# Altium PCB Digital_Optical.PcbDoc (part 2 of 3) (continued)
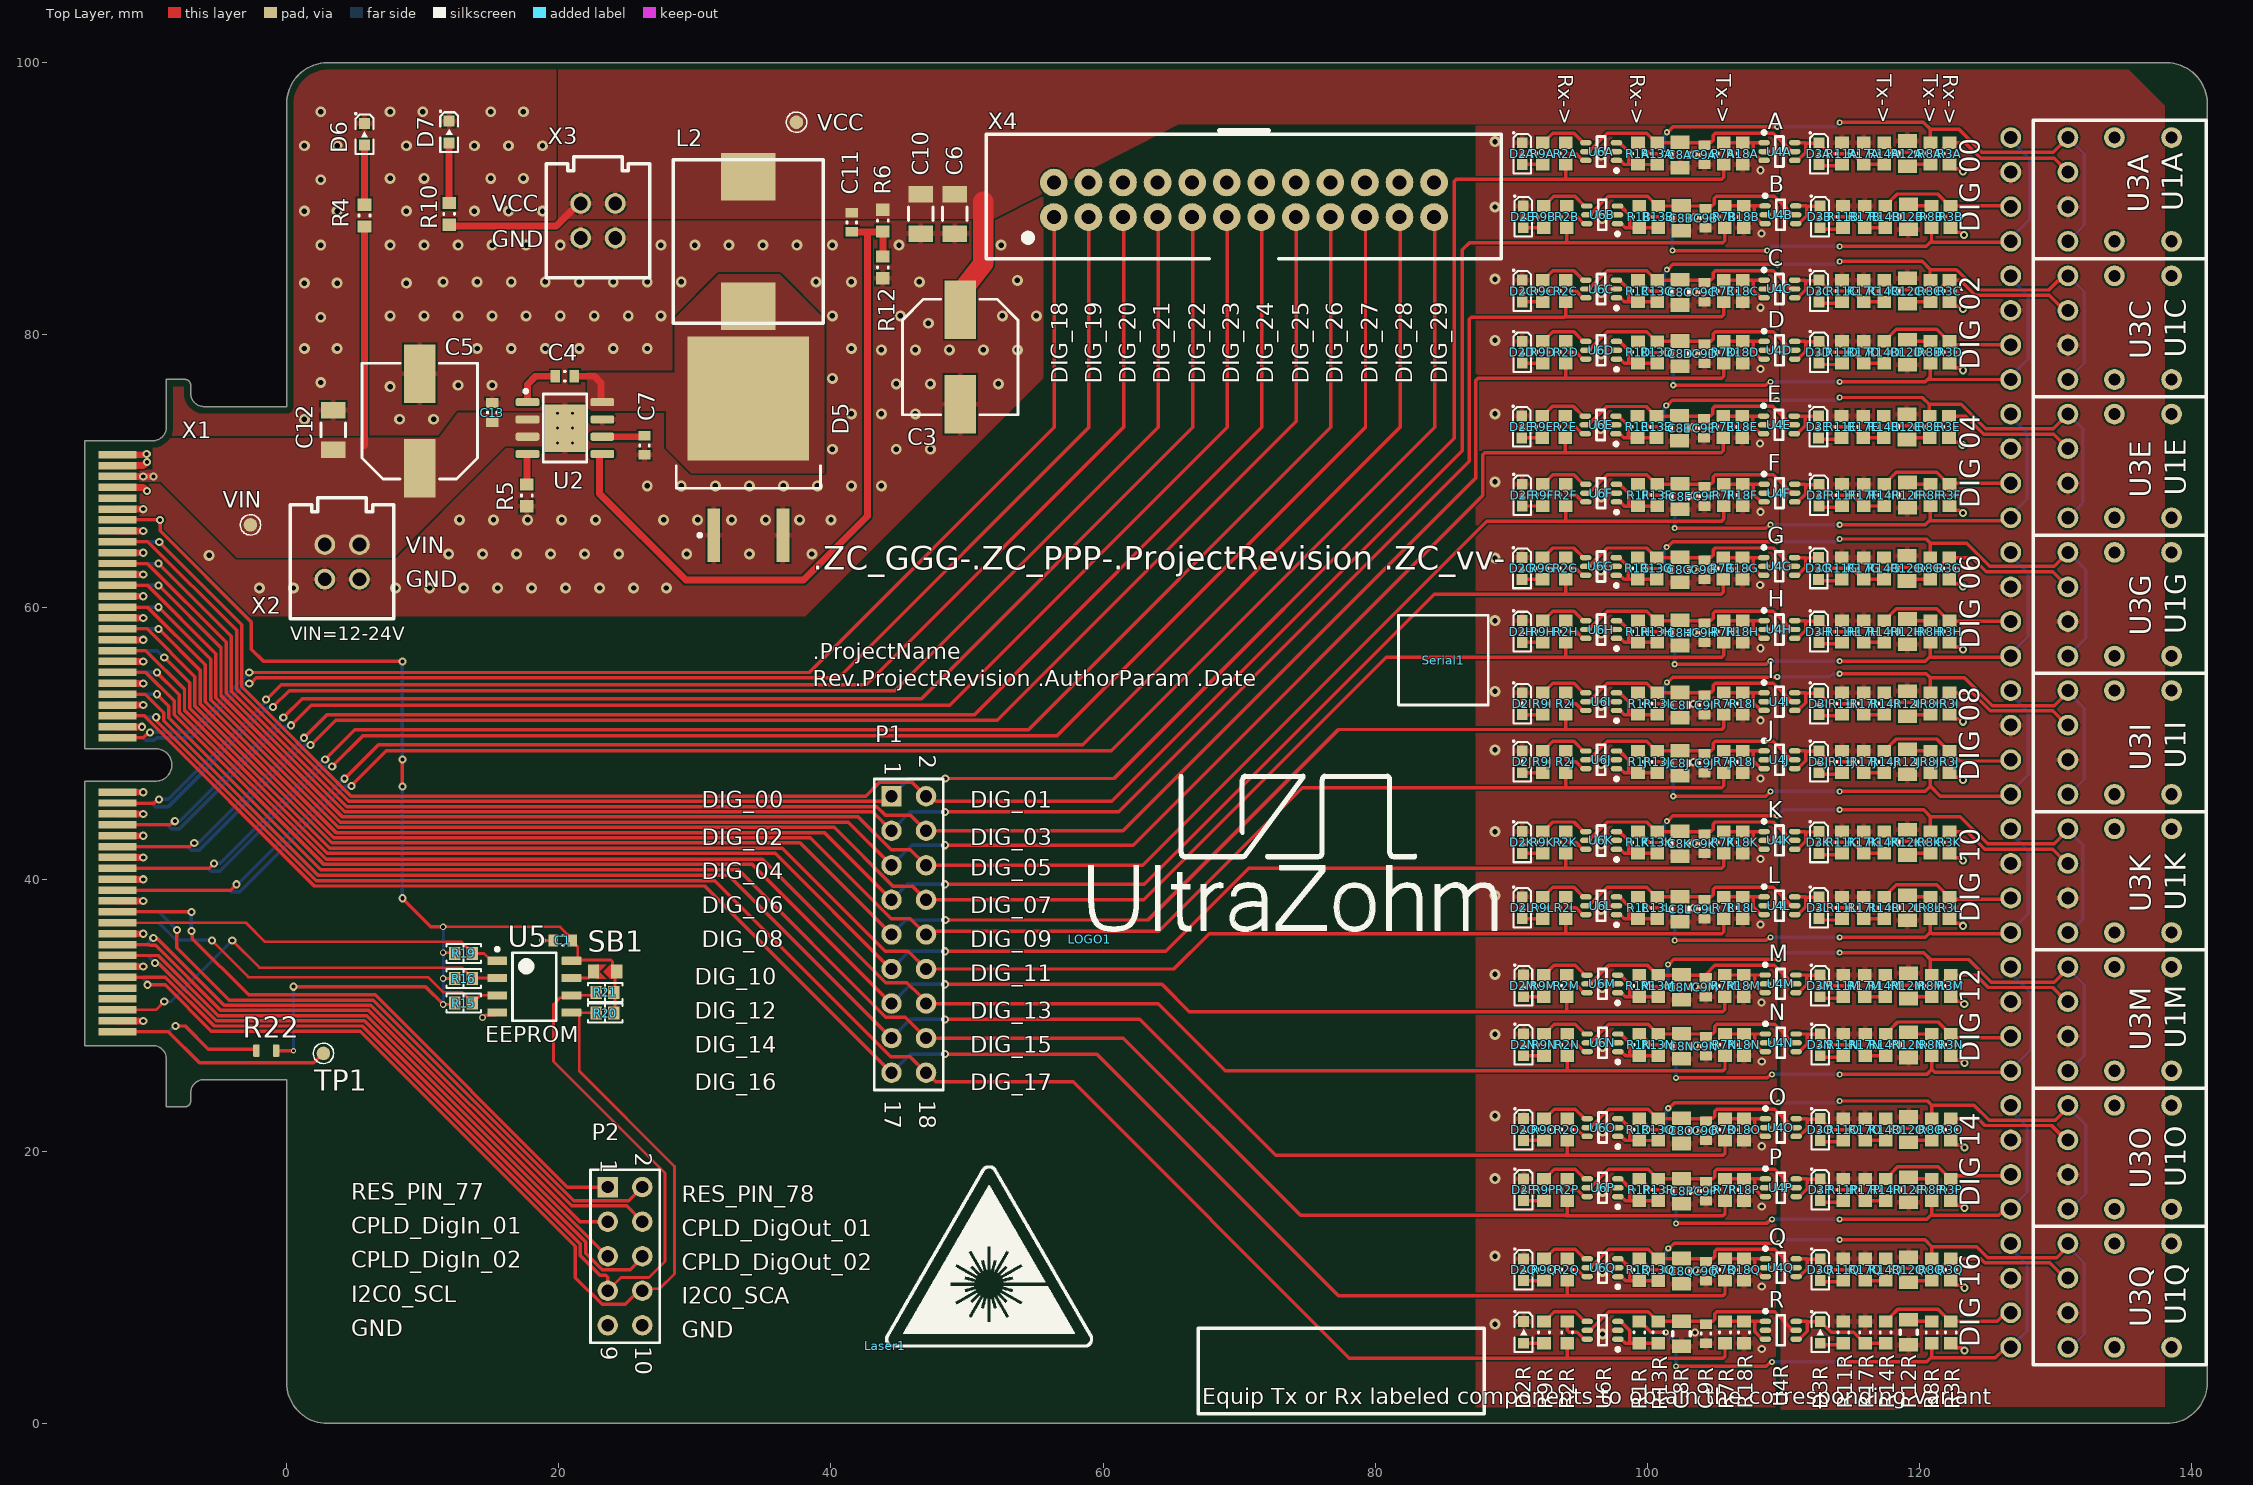
[diagram p0: Top Layer view]
## Nets (pads, with @x,y where several pads share a name; then routed paths per layer and width w, separated by ;. In a path a pad name is that pad's centre, name@x,y a point inside that pad or via, vN(x,y) a via of type N, cw(c..) or ccw(c..) an arc to the next point about the centre after c; other vN are vias at no path point) (continued)
  other v1: 96.7,6.575 88.8,7.3 96.7,11.175 88.8,12.3 96.7,17.05 88.8,18 96.7,21.475 88.8,22.6 96.7,27.7 88.8,28.6 96.683,32.033 88.8,33 96.6,37.775 88.8,38.8 96.6,42.575 88.8,43.5 96.6,48.5 88.8,49.5 96.6,52.775 88.8,53.8 96.6,58.075 88.8,59 -2,61.4 0.5,61.4 8,61.4 10.5,61.4 13,61.4 15.5,61.4 18,61.4 20.5,61.4 23,61.4 25.5,61.4 27.9,61.4 96.586,62.711 88.8,63.6 -5.7,63.8 11.9,63.9 14.4,63.9 16.9,63.9 19.4,63.9 21.9,63.9 24.4,63.9 29.4,63.9 34,63.9 38.6,63.9 12.7,66.4 15.2,66.4 17.7,66.4 20.2,66.4 22.7,66.4 27.7,66.4 30.2,66.4 32.7,66.4 35.2,66.4 37.7,66.4 40,66.4 96.6,68.1 26.5,68.9 29,68.9 31.5,68.9 34,68.9 36.5,68.9 39,68.9 41.5,68.9 43.7,68.9 88.8,69.2 40.1,71.6 44.8,71.6 47.3,71.6 96.561,73.111 1.3,73.8 8.3,73.8 10.8,73.8 41.5,74.2 43.7,74.2 46.2,74.2 88.8,74.2 7.6,76.2 12.6,76.3 15.1,76.3 44.8,76.4 47.3,76.4 52.3,76.4 2.5,76.5 40.1,76.8 96.6,78.6 43.7,78.9 46.2,78.9 48.7,78.9 51.2,78.9 53.7,78.9 1.3,79 3.7,79 14,79 16.5,79 19,79 21.5,79 24,79 26.5,79 41.5,79 88.8,79.6 47.162,80.855 2.5,81.3 7.6,81.4 10.1,81.4 12.6,81.4 15.1,81.4 17.6,81.4 20.1,81.4 22.6,81.4 25.1,81.4 27.5,81.4 40.1,81.4 45.1,81.4 52.6,81.4 55.1,81.4 96.6,83.1 1.3,83.8 3.7,83.8 8.8,83.8 11.5,83.9 14,83.9 16.5,83.9 19,83.9 21.5,83.9 24,83.9 26.5,83.9 29,83.9 38.9,83.9 41.5,83.9 46.5,83.9 53.7,84 88.8,84.1 2.5,86.6 7.6,86.6 10.1,86.6 12.6,86.6 15.1,86.6 17.6,86.6 20.1,86.6 27.5,86.6 30,86.6 32.5,86.6 35,86.6 37.5,86.6 40.1,86.6 45,86.6 52.5,86.6 96.675,88.55 1.3,89.1 3.7,89.1 8.8,89.1 13.8,89.1 16.3,89.1 18.8,89.1 88.8,89.4 2.5,91.4 7.6,91.5 10.1,91.5 15,91.5 17.4,91.5 96.6,93.2 1.3,93.9 3.7,93.9 8.8,93.9 13.8,93.9 16.3,93.9 18.8,93.9 88.8,94.2 2.5,96.4 7.6,96.4 10,96.4 15,96.4 17.4,96.4
  other v2: 108.4,5.475 103.5,6.675 108.4,10.075 103.5,11.275 108.4,15.95 103.5,17.15 108.4,20.375 103.5,21.575 108.4,26.6 103.5,27.8 108.383,30.933 103.483,32.133 108.3,36.675 103.4,37.875 108.3,41.475 103.4,42.675 108.3,47.4 103.4,48.6 108.3,51.675 103.4,52.875 108.3,56.975 103.4,58.175 108.286,61.611 103.386,62.811 108.3,67 103.4,68.2 108.261,72.011 103.361,73.211 108.3,77.5 103.4,78.7 108.3,82 103.4,83.2 108.375,87.45 103.475,88.65 108.3,92.1 103.4,93.3
  other v3: 19.897,72.052 20.997,72.052 19.897,73.152 20.997,73.152 19.897,74.252 20.997,74.252
I2C0_SCL: P2.7 R21.1 U5.6 X1.89 | length 77.6
  Top Layer w0.2: R21.1@22.75,31.688 22.527,31.465 U5.6@20.925,31.465 20.745,31.285 20.085,31.285 19.6,30.8 19.6,26.6 27.8,18.4 27.8,11.9 26.631,10.731 24.574,10.731 P2.7@23.597,9.754
  Top Layer w0.254: X1.89@-12.44,32.791 -8.913,32.791 -5.332,29.21 5.561,29.21 21.59,13.181 21.59,12.342 23.023,10.909 23.448,10.909 23.597,10.76 P2.7@23.597,9.754
I2C0_SDA: P2.8 R20.1 U5.5 X1.90 | length 77.7
  Top Layer w0.2: U5.5@20.5,30.195 U5.5@20.925,30.195 U5.5@21.3,30.195 ; R20.1@22.75,30.158 22.713,30.195 U5.5@21.3,30.195 ; P2.8@26.137,9.754 26.283,9.9 27.4,9.9 28.5,11 28.5,18.9 21.5,25.9 21.5,29.995 U5.5@21.3,30.195
  Top Layer w0.254: v2(-10.219,32.237) -8.937,32.237 -5.529,28.829 5.403,28.829 21.209,13.023 21.209,10.721 23.181,8.75 24.879,8.75 25.883,9.754 P2.8@26.137,9.754
  Bottom Layer w0.254: X1.90@-12.44,32.791 -10.659,32.791 -10.285,32.417 -10.285,32.303 v2(-10.219,32.237)
NetC4_1: C4.1 U2.1 | length 3.7
  Top Layer w0.508: U2.1@17.697,75.057 17.697,76.371 18.288,76.962 C4.1@19.812,76.962
NetC7_1: C7.1 U2.6 | length 3.1
  Top Layer w0.508: U2.6@23.197,72.517 26.224,72.517 C7.1@26.289,72.582
NetC11_2: C11.2 R6.1 R12.2 U2.5 | length 51.9
  Top Layer w0.508: U2.5@22.987,71.247 22.987,68.326 29.337,61.976 37.973,61.976 42.672,66.675 42.672,87.565 ; C11.2@41.529,87.565 42.672,87.565 ; R6.1@43.623,87.565 42.672,87.565 ; R12.2@43.815,85.763 R6.1@43.815,87.503
NetD2A_2: D2A.2 R9A.2 | length 1.5
  Top Layer w0.254: D2A.2@90.8,92.525 R9A.2@92.3,92.525
NetD2B_2: D2B.2 R9B.2 | length 1.5
  Top Layer w0.254: D2B.2@90.875,87.875 R9B.2@92.375,87.875
NetD2C_2: D2C.2 R9C.2 | length 1.5
  Top Layer w0.254: D2C.2@90.8,82.425 R9C.2@92.3,82.425
NetD2D_2: D2D.2 R9D.2 | length 1.5
  Top Layer w0.254: D2D.2@90.8,77.925 R9D.2@92.3,77.925
NetD2E_2: D2E.2 R9E.2 | length 1.5
  Top Layer w0.254: D2E.2@90.761,72.436 R9E.2@92.261,72.436
NetD2F_2: D2F.2 R9F.2 | length 1.5
  Top Layer w0.254: D2F.2@90.8,67.425 R9F.2@92.3,67.425
NetD2G_2: D2G.2 R9G.2 | length 1.5
  Top Layer w0.254: D2G.2@90.786,62.036 R9G.2@92.286,62.036
NetD2H_2: D2H.2 R9H.2 | length 1.5
  Top Layer w0.254: D2H.2@90.8,57.4 R9H.2@92.3,57.4
NetD2I_2: D2I.2 R9I.2 | length 1.5
  Top Layer w0.254: D2I.2@90.8,52.1 R9I.2@92.3,52.1
NetD2J_2: D2J.2 R9J.2 | length 1.5
  Top Layer w0.254: D2J.2@90.8,47.825 R9J.2@92.3,47.825
NetD2K_2: D2K.2 R9K.2 | length 1.5
  Top Layer w0.254: D2K.2@90.8,41.9 R9K.2@92.3,41.9
NetD2L_2: D2L.2 R9L.2 | length 1.5
  Top Layer w0.254: D2L.2@90.8,37.1 R9L.2@92.3,37.1
NetD2M_2: D2M.2 R9M.2 | length 1.5
  Top Layer w0.254: D2M.2@90.883,31.358 R9M.2@92.383,31.358
NetD2N_2: D2N.2 R9N.2 | length 1.5
  Top Layer w0.254: D2N.2@90.9,27.025 R9N.2@92.4,27.025
NetD2O_2: D2O.2 R9O.2 | length 1.5
  Top Layer w0.254: D2O.2@90.9,20.8 R9O.2@92.4,20.8
NetD2P_2: D2P.2 R9P.2 | length 1.5
  Top Layer w0.254: D2P.2@90.9,16.375 R9P.2@92.4,16.375
NetD2Q_2: D2Q.2 R9Q.2 | length 1.5
  Top Layer w0.254: D2Q.2@90.9,10.5 R9Q.2@92.4,10.5
NetD2R_2: D2R.2 R9R.2 | length 1.5
  Top Layer w0.254: D2R.2@90.9,5.9 R9R.2@92.4,5.9
NetD3A_2: D3A.2 R11A.2 | length 1.9
  Top Layer w0.254: D3A.2@112.6,92.425 R11A.2@114.5,92.425
NetD3B_2: D3B.2 R11B.2 | length 1.9
  Top Layer w0.254: D3B.2@112.675,87.775 R11B.2@114.575,87.775
NetD3C_2: D3C.2 R11C.2 | length 1.6
  Top Layer w0.254: D3C.2@112.9,82.325 R11C.2@114.5,82.325
NetD3D_2: D3D.2 R11D.2 | length 1.9
  Top Layer w0.254: D3D.2@112.6,77.825 R11D.2@114.5,77.825
NetD3E_2: D3E.2 R11E.2 | length 1.6
  Top Layer w0.254: D3E.2@112.861,72.336 R11E.2@114.461,72.336
NetD3F_2: D3F.2 R11F.2 | length 1.9
  Top Layer w0.254: D3F.2@112.6,67.325 R11F.2@114.5,67.325
NetD3G_2: D3G.2 R11G.2 | length 1.6
  Top Layer w0.254: D3G.2@112.886,61.936 R11G.2@114.486,61.936
NetD3H_2: D3H.2 R11H.2 | length 1.9
  Top Layer w0.254: D3H.2@112.6,57.3 R11H.2@114.5,57.3
NetD3I_2: D3I.2 R11I.2 | length 1.6
  Top Layer w0.254: D3I.2@112.9,52 R11I.2@114.5,52
NetD3J_2: D3J.2 R11J.2 | length 1.9
  Top Layer w0.254: D3J.2@112.6,47.725 R11J.2@114.5,47.725
NetD3K_2: D3K.2 R11K.2 | length 1.6
  Top Layer w0.254: D3K.2@112.9,41.8 R11K.2@114.5,41.8
NetD3L_2: D3L.2 R11L.2 | length 1.9
  Top Layer w0.254: D3L.2@112.6,37 R11L.2@114.5,37
NetD3M_2: D3M.2 R11M.2 | length 1.6
  Top Layer w0.254: D3M.2@112.983,31.258 R11M.2@114.583,31.258
NetD3N_2: D3N.2 R11N.2 | length 1.9
  Top Layer w0.254: D3N.2@112.7,26.925 R11N.2@114.6,26.925
NetD3O_2: D3O.2 R11O.2 | length 1.6
  Top Layer w0.254: D3O.2@113,20.7 R11O.2@114.6,20.7
NetD3P_2: D3P.2 R11P.2 | length 1.9
  Top Layer w0.254: D3P.2@112.7,16.275 R11P.2@114.6,16.275
NetD3Q_2: D3Q.2 R11Q.2 | length 1.6
  Top Layer w0.254: D3Q.2@113,10.4 R11Q.2@114.6,10.4
NetD3R_2: D3R.2 R11R.2 | length 1.9
  Top Layer w0.254: D3R.2@112.7,5.8 R11R.2@114.6,5.8
NetD6_2: D6.2 R4.1 | length 4.5
  Top Layer w0.127: D6.2@5.588,93.98 5.715,93.853 D6.2@5.715,93.942
  Top Layer w0.508: R4.1@5.715,89.662 D6.2@5.715,93.853
NetD7_2: D7.2 R10.1 | length 4.4
  Top Layer w0.127: D7.2@11.684,93.98 11.728,93.98 D7.2@11.938,93.77
  Top Layer w0.508: R10.1@11.938,89.7 D7.2@11.938,93.77
NetR1A_1: R1A.1 R13A.2 U6A.1 U6A.3 | length 5.2
  Top Layer w0.254: U6A.1@97.726,92.823 97.991,92.823 98.291,92.523 98.618,92.523 ; U6A.3@97.726,94.123 97.946,94.123 98.618,93.451 98.618,92.523 ; R13A.2@100.709,92.523 R1A.1@99.309,92.523 98.618,92.523
NetR1B_1: R1B.1 R13B.2 U6B.1 U6B.3 | length 5.2
  Top Layer w0.254: U6B.1@97.801,88.173 98.066,88.173 98.366,87.873 98.693,87.873 ; U6B.3@97.801,89.473 98.021,89.473 98.693,88.801 98.693,87.873 ; R13B.2@100.784,87.873 R1B.1@99.385,87.873 98.693,87.873
NetR1C_1: R1C.1 R13C.2 U6C.1 U6C.3 | length 5.2
  Top Layer w0.254: U6C.1@97.726,82.723 97.991,82.723 98.291,82.423 98.618,82.423 ; U6C.3@97.726,84.023 97.946,84.023 98.618,83.351 98.618,82.423 ; R13C.2@100.709,82.423 R1C.1@99.309,82.423 98.618,82.423
NetR1D_1: R1D.1 R13D.2 U6D.1 U6D.3 | length 5.2
  Top Layer w0.254: U6D.1@97.726,78.223 97.991,78.223 98.291,77.923 98.618,77.923 ; U6D.3@97.726,79.523 97.946,79.523 98.618,78.851 98.618,77.923 ; R13D.2@100.71,77.923 99.31,77.923 98.618,77.923
NetR1E_1: R1E.1 R13E.2 U6E.1 U6E.3 | length 5.2
  Top Layer w0.254: U6E.1@97.687,72.734 97.952,72.734 98.252,72.434 98.579,72.434 ; U6E.3@97.687,74.034 97.907,74.034 98.579,73.362 98.579,72.434 ; R13E.2@100.67,72.434 R1E.1@99.27,72.434 98.579,72.434
NetR1F_1: R1F.1 R13F.2 U6F.1 U6F.3 | length 5.2
  Top Layer w0.254: U6F.1@97.726,67.723 97.991,67.723 98.291,67.423 98.618,67.423 ; U6F.3@97.726,69.023 97.946,69.023 98.618,68.351 98.618,67.423 ; R13F.2@100.709,67.423 R1F.1@99.309,67.423 98.618,67.423
NetR1G_1: R1G.1 R13G.2 U6G.1 U6G.3 | length 5.2
  Top Layer w0.254: U6G.1@97.712,62.334 97.977,62.334 98.277,62.034 98.604,62.034 ; U6G.3@97.712,63.634 97.932,63.634 98.604,62.962 98.604,62.034 ; R13G.2@100.696,62.034 R1G.1@99.296,62.034 98.604,62.034
NetR1H_1: R1H.1 R13H.2 U6H.1 U6H.3 | length 5.2
  Top Layer w0.254: U6H.1@97.726,57.698 97.991,57.698 98.291,57.398 98.618,57.398 ; U6H.3@97.726,58.998 97.946,58.998 98.618,58.326 98.618,57.398 ; R13H.2@100.709,57.398 R1H.1@99.309,57.398 98.618,57.398
NetR1I_1: R1I.1 R13I.2 U6I.1 U6I.3 | length 5.2
  Top Layer w0.254: U6I.1@97.726,52.398 97.991,52.398 98.291,52.098 98.618,52.098 ; U6I.3@97.726,53.698 97.946,53.698 98.618,53.026 98.618,52.098 ; R13I.2@100.709,52.098 R1I.1@99.309,52.098 98.618,52.098
NetR1J_1: R1J.1 R13J.2 U6J.1 U6J.3 | length 5.2
  Top Layer w0.254: U6J.1@97.726,48.123 97.991,48.123 98.291,47.823 98.618,47.823 ; U6J.3@97.726,49.423 97.946,49.423 98.618,48.751 98.618,47.823 ; R13J.2@100.71,47.823 99.31,47.823 98.618,47.823
NetR1K_1: R1K.1 R13K.2 U6K.1 U6K.3 | length 5.2
  Top Layer w0.254: U6K.1@97.726,42.198 97.991,42.198 98.291,41.898 98.618,41.898 ; U6K.3@97.726,43.498 97.946,43.498 98.618,42.826 98.618,41.898 ; R13K.2@100.709,41.898 R1K.1@99.309,41.898 98.618,41.898
NetR1L_1: R1L.1 R13L.2 U6L.1 U6L.3 | length 5.2
  Top Layer w0.254: U6L.1@97.726,37.398 97.991,37.398 98.291,37.098 98.618,37.098 ; U6L.3@97.726,38.698 97.946,38.698 98.618,38.026 98.618,37.098 ; R13L.2@100.709,37.098 R1L.1@99.309,37.098 98.618,37.098
NetR1M_1: R1M.1 R13M.2 U6M.1 U6M.3 | length 5.2
  Top Layer w0.254: U6M.1@97.81,31.656 98.074,31.656 98.374,31.356 98.701,31.356 ; U6M.3@97.81,32.956 98.029,32.956 98.701,32.284 98.701,31.356 ; R13M.2@100.793,31.356 R1M.1@99.393,31.356 98.701,31.356
NetR1N_1: R1N.1 R13N.2 U6N.1 U6N.3 | length 5.2
  Top Layer w0.254: U6N.1@97.826,27.323 98.091,27.323 98.391,27.023 98.718,27.023 ; U6N.3@97.826,28.623 98.046,28.623 98.718,27.951 98.718,27.023 ; R13N.2@100.809,27.023 R1N.1@99.409,27.023 98.718,27.023
NetR1O_1: R1O.1 R13O.2 U6O.1 U6O.3 | length 5.2
  Top Layer w0.254: U6O.1@97.826,21.098 98.091,21.098 98.391,20.798 98.718,20.798 ; U6O.3@97.826,22.398 98.046,22.398 98.718,21.726 98.718,20.798 ; R13O.2@100.809,20.798 R1O.1@99.409,20.798 98.718,20.798
NetR1P_1: R1P.1 R13P.2 U6P.1 U6P.3 | length 5.2
  Top Layer w0.254: U6P.1@97.826,16.673 98.091,16.673 98.391,16.373 98.718,16.373 ; U6P.3@97.826,17.973 98.046,17.973 98.718,17.301 98.718,16.373 ; R13P.2@100.809,16.373 R1P.1@99.409,16.373 98.718,16.373
NetR1Q_1: R1Q.1 R13Q.2 U6Q.1 U6Q.3 | length 5.2
  Top Layer w0.254: U6Q.1@97.826,10.798 98.091,10.798 98.391,10.498 98.718,10.498 ; U6Q.3@97.826,12.098 98.046,12.098 98.718,11.426 98.718,10.498 ; R13Q.2@100.809,10.498 R1Q.1@99.409,10.498 98.718,10.498
NetR1R_1: R1R.1 R13R.2 U6R.1 U6R.3 | length 5.2
  Top Layer w0.254: U6R.1@97.826,6.198 98.091,6.198 98.391,5.898 98.718,5.898 ; U6R.3@97.826,7.498 98.046,7.498 98.718,6.826 98.718,5.898 ; R13R.2@100.809,5.898 R1R.1@99.409,5.898 98.718,5.898
NetR2A_2: R2A.2 U6A.6 | length 2.4
  Top Layer w0.254: R2A.2@94,94.125 94,93.474 94.149,93.325 94.749,93.325 95.251,92.823 U6A.6@95.476,92.823
NetR2B_2: R2B.2 U6B.6 | length 2.4
  Top Layer w0.254: R2B.2@94.075,89.475 94.075,88.824 94.224,88.675 94.824,88.675 95.326,88.173 U6B.6@95.551,88.173
NetR2C_2: R2C.2 U6C.6 | length 2.4
  Top Layer w0.254: R2C.2@94,84.025 94,83.374 94.149,83.225 94.749,83.225 95.251,82.723 U6C.6@95.476,82.723
NetR2D_2: R2D.2 U6D.6 | length 2.4
  Top Layer w0.254: R2D.2@94,79.525 94,78.874 94.149,78.725 94.749,78.725 95.251,78.223 U6D.6@95.476,78.223
NetR2E_2: R2E.2 U6E.6 | length 2.4
  Top Layer w0.254: R2E.2@93.961,74.036 93.961,73.385 94.11,73.236 94.71,73.236 95.212,72.734 U6E.6@95.437,72.734
NetR2F_2: R2F.2 U6F.6 | length 2.4
  Top Layer w0.254: R2F.2@94,69.025 94,68.374 94.149,68.225 94.749,68.225 95.251,67.723 U6F.6@95.476,67.723
NetR2G_2: R2G.2 U6G.6 | length 2.4
  Top Layer w0.254: R2G.2@93.986,63.636 93.986,62.985 94.135,62.836 94.735,62.836 95.237,62.334 U6G.6@95.462,62.334
NetR2H_2: R2H.2 U6H.6 | length 2.4
  Top Layer w0.254: R2H.2@94,59 94,58.349 94.149,58.2 94.749,58.2 95.251,57.698 U6H.6@95.476,57.698
NetR2I_2: R2I.2 U6I.6 | length 2.4
  Top Layer w0.254: R2I.2@94,53.7 94,53.049 94.149,52.9 94.749,52.9 95.251,52.398 U6I.6@95.476,52.398
NetR2J_2: R2J.2 U6J.6 | length 2.4
  Top Layer w0.254: R2J.2@94,49.425 94,48.774 94.149,48.625 94.749,48.625 95.251,48.123 U6J.6@95.476,48.123
NetR2K_2: R2K.2 U6K.6 | length 2.4
  Top Layer w0.254: R2K.2@94,43.5 94,42.849 94.149,42.7 94.749,42.7 95.251,42.198 U6K.6@95.476,42.198
NetR2L_2: R2L.2 U6L.6 | length 2.4
  Top Layer w0.254: R2L.2@94,38.7 94,38.049 94.149,37.9 94.749,37.9 95.251,37.398 U6L.6@95.476,37.398
NetR2M_2: R2M.2 U6M.6 | length 2.4
  Top Layer w0.254: R2M.2@94.083,32.958 94.083,32.307 94.232,32.158 94.833,32.158 95.335,31.656 U6M.6@95.56,31.656
NetR2N_2: R2N.2 U6N.6 | length 2.4
  Top Layer w0.254: R2N.2@94.1,28.625 94.1,27.974 94.249,27.825 94.849,27.825 95.351,27.323 U6N.6@95.576,27.323
NetR2O_2: R2O.2 U6O.6 | length 2.4
  Top Layer w0.254: R2O.2@94.1,22.4 94.1,21.749 94.249,21.6 94.849,21.6 95.351,21.098 U6O.6@95.576,21.098
NetR2P_2: R2P.2 U6P.6 | length 2.4
  Top Layer w0.254: R2P.2@94.1,17.975 94.1,17.324 94.249,17.175 94.849,17.175 95.351,16.673 U6P.6@95.576,16.673
NetR2Q_2: R2Q.2 U6Q.6 | length 2.4
  Top Layer w0.254: R2Q.2@94.1,12.1 94.1,11.449 94.249,11.3 94.849,11.3 95.351,10.798 U6Q.6@95.576,10.798
NetR2R_2: R2R.2 U6R.6 | length 2.4
  Top Layer w0.254: R2R.2@94.1,7.5 94.1,6.849 94.249,6.7 94.849,6.7 95.351,6.198 U6R.6@95.576,6.198
NetR3A_1: R3A.1 R14A.2 U1A.2 U3A.2 | length 15
  Top Layer w0.254: R14A.2@117.4,94.125 117.45,94.125 118.154,93.421 121.446,93.421 121.827,93.802 122.15,94.125 R3A.1@122.25,94.125 ; R3A.1@122.2,94.125 123.336,94.125 124.484,92.977 129.899,92.977 U1A.2@130.915,91.961
NetR3B_1: R3B.1 R14B.2 U1B.2 U3B.2 | length 10
  Top Layer w0.254: R14B.2@117.475,89.475 117.525,89.475 117.848,89.798 117.848,89.848 118.354,90.354 121.346,90.354 122.225,89.475 R3B.1@122.275,89.475 126.473,89.475 126.527,89.421 U1B.2@126.403,89.421
NetR3C_1: R3C.1 R14C.2 U1C.2 U3C.2 | length 15.1
  Top Layer w0.254: R14C.2@117.4,84.025 117.45,84.025 118.154,83.321 121.446,83.321 121.827,83.702 122.15,84.025 R3C.1@122.25,84.025 ; R3C.1@122.2,84.025 122.975,84.025 124.1,82.9 129.531,82.9 130.63,81.801 U1C.2@130.915,81.801
NetR3D_1: R3D.1 R14D.2 U1D.2 U3D.2 | length 10
  Top Layer w0.254: R14D.2@117.4,79.525 117.45,79.525 117.773,79.848 117.773,79.898 118.279,80.404 121.271,80.404 122.15,79.525 R3D.1@122.2,79.525 122.464,79.261 U1D.2@126.527,79.261
NetR3E_1: R3E.1 R14E.2 U1E.2 U3E.2 | length 15.1
  Top Layer w0.254: R14E.2@117.361,74.036 117.411,74.036 118.115,73.332 121.407,73.332 122.111,74.036 R3E.1@122.161,74.036 123.39,74.036 124.726,72.7 129.856,72.7 U3E.2@130.915,71.641
NetR3F_1: R3F.1 R14F.2 U1F.2 U3F.2 | length 9.9
  Top Layer w0.254: R14F.2@117.4,69.025 117.45,69.025 117.773,69.348 117.773,69.398 118.279,69.904 121.271,69.904 122.15,69.025 R3F.1@122.2,69.025 122.276,69.101 U1F.2@126.527,69.101
NetR3G_1: R3G.1 R14G.2 U1G.2 U3G.2 | length 15
  Top Layer w0.254: R14G.2@117.386,63.636 117.436,63.636 118.14,62.932 121.432,62.932 122.136,63.636 R3G.1@122.186,63.636 123.864,63.636 124.9,62.6 129.78,62.6 130.899,61.481 U3G.2@130.915,61.481
NetR3H_1: R3H.1 R14H.2 U1H.2 U3H.2 | length 9.9
  Top Layer w0.254: R14H.2@117.4,59 117.45,59 117.773,59.323 117.773,59.373 118.279,59.879 121.271,59.879 122.15,59 R3H.1@122.2,59 122.259,58.941 U1H.2@126.527,58.941
NetR3I_1: R3I.1 R14I.2 U1I.2 U3I.2 | length 15.1
  Top Layer w0.254: R14I.2@117.4,53.7 117.45,53.7 118.154,52.996 121.446,52.996 122.15,53.7 R3I.1@122.2,53.7 123.861,53.7 125.191,52.37 129.772,52.37 U1I.2@130.915,51.227
NetR3J_1: R3J.1 R14J.2 U1J.2 U3J.2 | length 10.3
  Top Layer w0.254: R14J.2@117.4,49.425 117.45,49.425 117.773,49.748 117.773,49.798 118.279,50.304 121.271,50.304 122.15,49.425 122.25,49.425 122.573,49.102 122.573,49.052 122.938,48.687 126.527,48.687 U1J.2@126.465,48.625
NetR3K_1: R3K.1 R14K.2 U1K.2 U3K.2 | length 15.1
  Top Layer w0.254: R14K.2@117.4,43.5 117.45,43.5 118.154,42.796 121.446,42.796 122.15,43.5 R3K.1@122.2,43.5 123.5,43.5 124.79,42.21 129.772,42.21 U1K.2@130.915,41.067
NetR3L_1: R3L.1 R14L.2 U1L.2 U3L.2 | length 10.1
  Top Layer w0.254: R14L.2@117.4,38.7 117.45,38.7 117.773,39.023 117.773,39.073 118.279,39.579 121.271,39.579 122.15,38.7 R3L.1@122.2,38.7 122.373,38.527 U1L.2@126.375,38.527 ; U1L.2@126.375,38.527 126.527,38.527 U1L.2@126.375,38.527
NetR3M_1: R3M.1 R14M.2 U1M.2 U3M.2 | length 14.8
  Top Layer w0.254: R14M.2@117.533,32.958 118.291,32.2 121.475,32.2 121.91,32.635 R3M.1@122.233,32.958 ; R3M.1@122.283,32.958 124.142,32.958 125.058,32.042 129.772,32.042 U1M.2@130.915,30.899
NetR3N_1: R3N.1 R14N.2 U1N.2 U3N.2 | length 10.1
  Top Layer w0.254: R14N.2@117.5,28.625 117.55,28.625 117.873,28.948 117.873,28.998 118.379,29.504 121.371,29.504 122.25,28.625 R3N.1@122.3,28.625 122.566,28.359 U1N.2@126.277,28.359 ; U1N.2@126.277,28.359 126.527,28.359 U1N.2@126.277,28.359
NetR3O_1: R3O.1 R14O.2 U1O.2 U3O.2 | length 14.8
  Top Layer w0.254: R14O.2@117.5,22.4 117.55,22.4 118.254,21.696 121.546,21.696 121.927,22.077 122.25,22.4 R3O.1@122.35,22.4 ; R3O.1@122.3,22.4 124.3,22.4 124.8,21.9 129.698,21.9 U3O.2@130.915,20.683
NetR3P_1: R3P.1 R14P.2 U1P.2 U3P.2 | length 9.9
  Top Layer w0.254: R14P.2@117.5,17.975 117.55,17.975 117.873,18.298 117.873,18.348 118.379,18.854 121.371,18.854 122.25,17.975 R3P.1@122.3,17.975 122.519,18.194 U1P.2@126.527,18.194
NetR3Q_1: R3Q.1 R14Q.2 U1Q.2 U3Q.2 | length 14.7
  Top Layer w0.254: R14Q.2@117.5,12.1 117.55,12.1 118.254,11.396 121.546,11.396 121.927,11.777 122.25,12.1 R3Q.1@122.35,12.1 ; R3Q.1@122.3,12.1 124.5,12.1 124.8,11.8 129.578,11.8 U1Q.2@130.915,10.463
NetR3R_1: R3R.1 R14R.2 U1R.2 U3R.2 | length 10
  Top Layer w0.254: R14R.2@117.5,7.5 117.55,7.5 117.873,7.823 117.873,7.873 118.379,8.379 121.371,8.379 122.25,7.5 R3R.1@122.3,7.5 125.709,7.5 126.183,7.974 U1R.2@126.527,7.974
NetR5_2: R5.2 U2.4 | length 2.2
  Top Layer w0.508: R5.2@17.653,68.999 U2.4@17.653,71.247
NetR7A_1: R7A.1 R18A.2 U4A.1 U4A.3 | length 4.7
  Top Layer w0.254: R7A.1@105.6,94.125 R18A.2@107,94.125 107.788,94.125 ; U4A.3@108.575,92.825 108.35,92.825 107.788,93.387 107.788,94.125 ; U4A.1@108.575,94.125 107.788,94.125
NetR7B_1: R7B.1 R18B.2 U4B.1 U4B.3 | length 4.7
  Top Layer w0.254: R7B.1@105.675,89.475 R18B.2@107.075,89.475 107.863,89.475 ; U4B.3@108.65,88.175 108.425,88.175 107.863,88.737 107.863,89.475 ; U4B.1@108.65,89.475 107.863,89.475
NetR7C_1: R7C.1 R18C.2 U4C.1 U4C.3 | length 4.7
  Top Layer w0.254: R7C.1@105.6,84.025 R18C.2@107,84.025 107.788,84.025 ; U4C.3@108.575,82.725 108.35,82.725 107.788,83.287 107.788,84.025 ; U4C.1@108.575,84.025 107.788,84.025
NetR7D_1: R7D.1 R18D.2 U4D.1 U4D.3 | length 4.7
  Top Layer w0.254: R7D.1@105.6,79.525 R18D.2@107,79.525 107.788,79.525 ; U4D.3@108.575,78.225 108.35,78.225 107.788,78.788 107.788,79.525 ; U4D.1@108.575,79.525 107.788,79.525
NetR7E_1: R7E.1 R18E.2 U4E.1 U4E.3 | length 4.7
  Top Layer w0.254: R7E.1@105.561,74.036 R18E.2@106.961,74.036 107.748,74.036 ; U4E.3@108.536,72.736 108.311,72.736 107.748,73.298 107.748,74.036 ; U4E.1@108.536,74.036 107.748,74.036
NetR7F_1: R7F.1 R18F.2 U4F.1 U4F.3 | length 4.7
  Top Layer w0.254: R7F.1@105.6,69.025 R18F.2@107,69.025 107.788,69.025 ; U4F.3@108.575,67.725 108.35,67.725 107.788,68.287 107.788,69.025 ; U4F.1@108.575,69.025 107.788,69.025
NetR7G_1: R7G.1 R18G.2 U4G.1 U4G.3 | length 4.7
  Top Layer w0.254: R7G.1@105.586,63.636 R18G.2@106.986,63.636 107.774,63.636 ; U4G.3@108.561,62.336 108.336,62.336 107.774,62.898 107.774,63.636 ; U4G.1@108.561,63.636 107.774,63.636
NetR7H_1: R7H.1 R18H.2 U4H.1 U4H.3 | length 4.7
  Top Layer w0.254: R7H.1@105.6,59 R18H.2@107,59 107.788,59 ; U4H.3@108.575,57.7 108.35,57.7 107.788,58.262 107.788,59 ; U4H.1@108.575,59 107.788,59
NetR7I_1: R7I.1 R18I.2 U4I.1 U4I.3 | length 4.7
  Top Layer w0.254: R7I.1@105.6,53.7 R18I.2@107,53.7 107.788,53.7 ; U4I.3@108.575,52.4 108.35,52.4 107.788,52.962 107.788,53.7 ; U4I.1@108.575,53.7 107.788,53.7
NetR7J_1: R7J.1 R18J.2 U4J.1 U4J.3 | length 4.7
  Top Layer w0.254: R7J.1@105.6,49.425 R18J.2@107,49.425 107.788,49.425 ; U4J.3@108.575,48.125 108.35,48.125 107.788,48.687 107.788,49.425 ; U4J.1@108.575,49.425 107.788,49.425
NetR7K_1: R7K.1 R18K.2 U4K.1 U4K.3 | length 4.7
  Top Layer w0.254: R7K.1@105.6,43.5 R18K.2@107,43.5 107.788,43.5 ; U4K.3@108.575,42.2 108.35,42.2 107.788,42.762 107.788,43.5 ; U4K.1@108.575,43.5 107.788,43.5
NetR7L_1: R7L.1 R18L.2 U4L.1 U4L.3 | length 4.7
  Top Layer w0.254: R7L.1@105.6,38.7 R18L.2@107,38.7 107.788,38.7 ; U4L.3@108.575,37.4 108.35,37.4 107.788,37.962 107.788,38.7 ; U4L.1@108.575,38.7 107.788,38.7
NetR7M_1: R7M.1 R18M.2 U4M.1 U4M.3 | length 4.7
  Top Layer w0.254: R7M.1@105.683,32.958 R18M.2@107.083,32.958 107.871,32.958 ; U4M.3@108.658,31.658 108.433,31.658 107.871,32.221 107.871,32.958 ; U4M.1@108.658,32.958 107.871,32.958
NetR7N_1: R7N.1 R18N.2 U4N.1 U4N.3 | length 4.7
  Top Layer w0.254: R7N.1@105.7,28.625 R18N.2@107.1,28.625 107.888,28.625 ; U4N.3@108.675,27.325 108.45,27.325 107.888,27.887 107.888,28.625 ; U4N.1@108.675,28.625 107.888,28.625
NetR7O_1: R7O.1 R18O.2 U4O.1 U4O.3 | length 4.7
  Top Layer w0.254: R7O.1@105.7,22.4 R18O.2@107.1,22.4 107.888,22.4 ; U4O.3@108.675,21.1 108.45,21.1 107.888,21.663 107.888,22.4 ; U4O.1@108.675,22.4 107.888,22.4
NetR7P_1: R7P.1 R18P.2 U4P.1 U4P.3 | length 4.7
  Top Layer w0.254: R7P.1@105.7,17.975 R18P.2@107.1,17.975 107.888,17.975 ; U4P.3@108.675,16.675 108.45,16.675 107.888,17.237 107.888,17.975 ; U4P.1@108.675,17.975 107.888,17.975
NetR7Q_1: R7Q.1 R18Q.2 U4Q.1 U4Q.3 | length 4.7
  Top Layer w0.254: R7Q.1@105.7,12.1 R18Q.2@107.1,12.1 107.888,12.1 ; U4Q.3@108.675,10.8 108.45,10.8 107.888,11.362 107.888,12.1 ; U4Q.1@108.675,12.1 107.888,12.1
NetR7R_1: R7R.1 R18R.2 U4R.1 U4R.3 | length 4.7
  Top Layer w0.254: R7R.1@105.7,7.5 R18R.2@107.1,7.5 107.888,7.5 ; U4R.3@108.675,6.2 108.45,6.2 107.888,6.762 107.888,7.5 ; U4R.1@108.675,7.5 107.888,7.5
NetR8A_1: R8A.1 R12A.2 | length 1.8
  Top Layer w0.254: R12A.2@119.1,92.4 119.225,92.525 R8A.1@120.8,92.525
NetR8B_1: R8B.1 R12B.2 | length 1.8
  Top Layer w0.254: R12B.2@119.175,89.6 119.3,89.475 R8B.1@120.875,89.475
NetR8C_1: R8C.1 R12C.2 | length 1.8
  Top Layer w0.254: R12C.2@119.1,82.3 119.225,82.425 R8C.1@120.8,82.425
NetR8D_1: R8D.1 R12D.2 | length 1.8
  Top Layer w0.254: R12D.2@119.1,79.65 119.225,79.525 R8D.1@120.8,79.525
NetR8E_1: R8E.1 R12E.2 | length 1.8
  Top Layer w0.254: R12E.2@119.061,72.311 119.186,72.436 R8E.1@120.761,72.436
NetR8F_1: R8F.1 R12F.2 | length 1.8
  Top Layer w0.254: R12F.2@119.1,69.15 119.225,69.025 R8F.1@120.8,69.025
NetR8G_1: R8G.1 R12G.2 | length 1.8
  Top Layer w0.254: R12G.2@119.086,61.911 119.211,62.036 R8G.1@120.786,62.036
NetR8H_1: R8H.1 R12H.2 | length 1.8
  Top Layer w0.254: R12H.2@119.1,59.125 119.225,59 R8H.1@120.8,59
NetR8I_1: R8I.1 R12I.2 | length 1.8
  Top Layer w0.254: R12I.2@119.1,51.975 119.225,52.1 R8I.1@120.8,52.1
NetR8J_1: R8J.1 R12J.2 | length 1.8
  Top Layer w0.254: R12J.2@119.1,49.55 119.225,49.425 R8J.1@120.8,49.425
NetR8K_1: R8K.1 R12K.2 | length 1.8
  Top Layer w0.254: R12K.2@119.1,41.775 119.225,41.9 R8K.1@120.8,41.9
NetR8L_1: R8L.1 R12L.2 | length 1.8
  Top Layer w0.254: R12L.2@119.1,38.825 119.225,38.7 R8L.1@120.8,38.7
NetR8M_1: R8M.1 R12M.2 | length 1.8
  Top Layer w0.254: R12M.2@119.183,31.233 119.308,31.358 R8M.1@120.883,31.358
NetR8N_1: R8N.1 R12N.2 | length 1.8
  Top Layer w0.254: R12N.2@119.2,28.75 119.325,28.625 R8N.1@120.9,28.625
NetR8O_1: R8O.1 R12O.2 | length 1.8
  Top Layer w0.254: R12O.2@119.2,20.675 119.325,20.8 R8O.1@120.9,20.8
NetR8P_1: R8P.1 R12P.2 | length 1.8
  Top Layer w0.254: R12P.2@119.2,18.1 119.325,17.975 R8P.1@120.9,17.975
NetR8Q_1: R8Q.1 R12Q.2 | length 1.8
  Top Layer w0.254: R12Q.2@119.2,10.375 119.325,10.5 R8Q.1@120.9,10.5
NetR8R_1: R8R.1 R12R.2 | length 1.8
  Top Layer w0.254: R12R.2@119.2,7.625 119.325,7.5 R8R.1@120.9,7.5
NetR9A_1: R9A.1 U6A.4 | length 3.8
  Top Layer w0.254: R9A.1@92.3,94.125 92.35,94.125 93.054,94.829 94.605,94.829 95.224,94.211 95.224,94.19 95.291,94.123 U6A.4@95.476,94.123
NetR9B_1: R9B.1 U6B.4 | length 3.8
  Top Layer w0.254: R9B.1@92.375,89.475 92.425,89.475 93.129,90.179 94.68,90.179 95.299,89.561 95.299,89.54 95.366,89.473 U6B.4@95.551,89.473
NetR9C_1: R9C.1 U6C.4 | length 3.8
  Top Layer w0.254: R9C.1@92.3,84.025 92.35,84.025 93.054,84.729 94.605,84.729 95.224,84.111 95.224,84.09 95.291,84.023 U6C.4@95.476,84.023
NetR9D_1: R9D.1 U6D.4 | length 3.8
  Top Layer w0.254: R9D.1@92.3,79.525 92.35,79.525 93.054,80.229 94.605,80.229 95.224,79.611 95.224,79.59 95.291,79.523 U6D.4@95.476,79.523
NetR9E_1: R9E.1 U6E.4 | length 3.8
  Top Layer w0.254: R9E.1@92.261,74.036 92.311,74.036 93.015,74.74 94.566,74.74 95.185,74.122 95.185,74.101 95.252,74.034 U6E.4@95.437,74.034
NetR9F_1: R9F.1 U6F.4 | length 3.8
  Top Layer w0.254: R9F.1@92.3,69.025 92.35,69.025 93.054,69.729 94.605,69.729 95.224,69.111 95.224,69.09 95.291,69.023 U6F.4@95.476,69.023